# KiCad board coco2.kicad_pcb (continued)
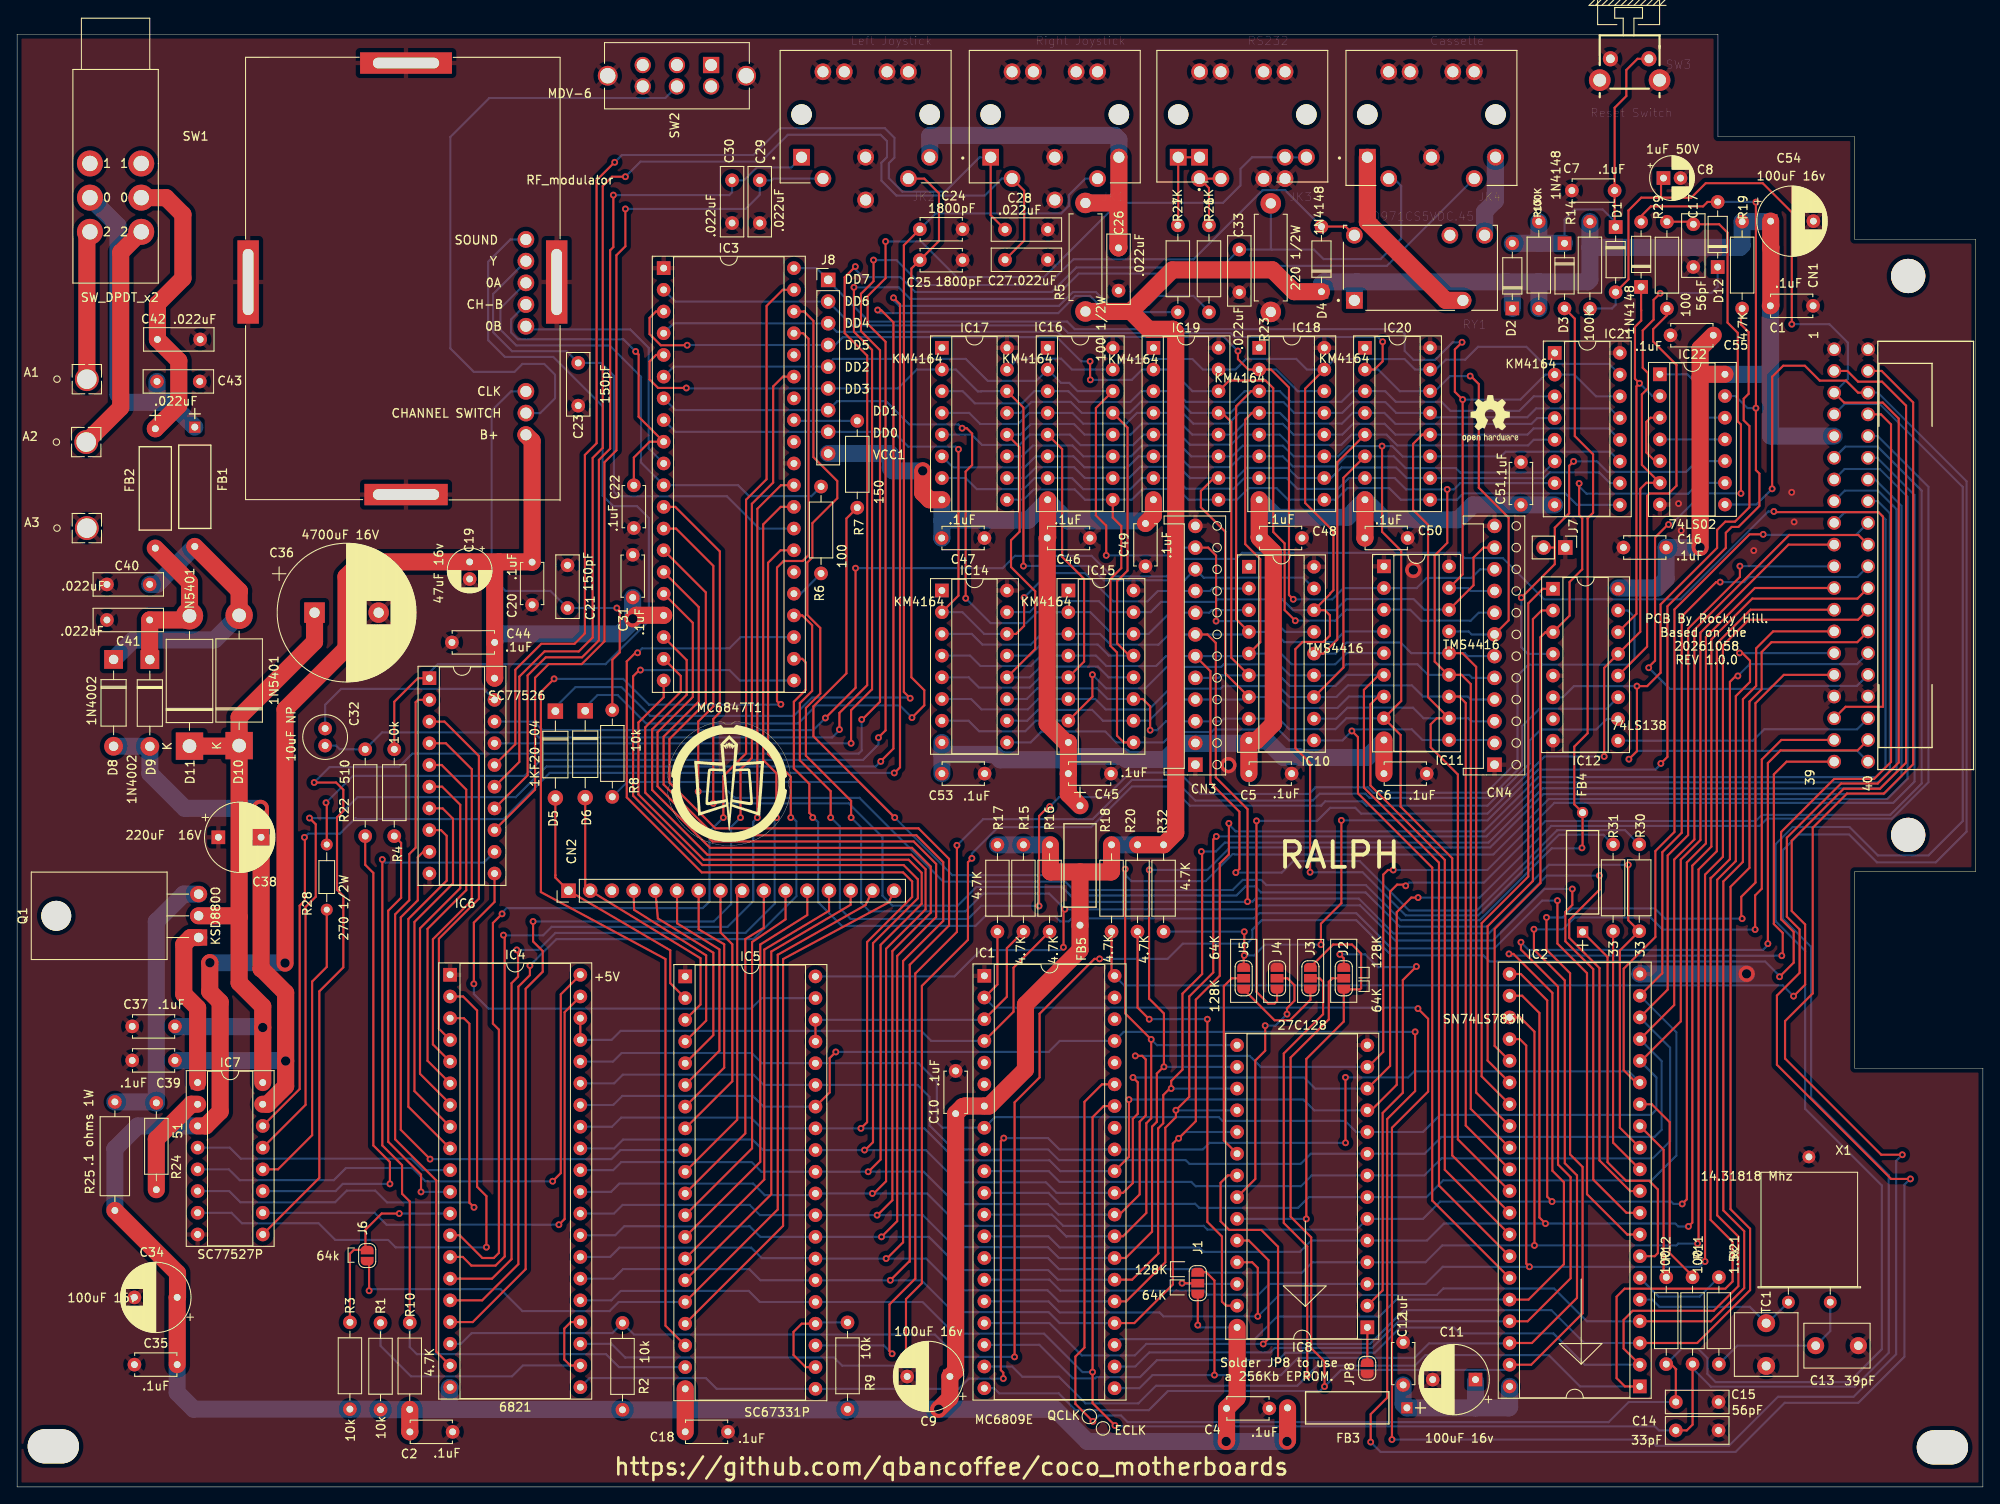
[diagram p0: board, top side]
## Routing (per net, layer and track width the routed paths; a pad name or vN(x,y) marks a point on that pad's centre or on a via; arc(x,y) is an arc through that point) (continued)
/dram/DD2: length 110.1
  Top w0.25: v2(140.28,101.32) 140.28,109 139.36,109.92 CN3.11 ; v2(127.43,109.01) 127.43,112.48 126.22,113.69 126.22,126.25 IC16.14
  Bottom w0.25: IC3.6 76.82,131.09 J8.5 94.9,131.4 95.5,132 111,132 113.57,129.43 119.24,129.43 IC16.2 122.14,129.2 123.1,129.2 124.07,128.23 128.19,128.23 IC16.14 ; CN3.11 136.24,109.92 135.33,109.01 v2(127.43,109.01) ; IC10.15 148.38,100.06 147.12,101.32 v2(140.28,101.32)
/dram/DD3: length 105.7
  Top w0.25: IC17.14 117.74,126.3 v2(117.74,107.76) ; IC3.5 74.77,132.47 74,131.7 74,129.6 75,128.6 v2(78.3,128.6)
  Bottom w0.25: IC17.14 112.82,128.22 112.8,128.2 112.4,128.2 109.84,130.76 IC17.2 105.26,130.76 103.05,128.55 78.35,128.55 v2(78.3,128.6) ; v2(117.74,107.76) 117.75,107.77 125.48,107.77 127.15,106.1 136.58,106.1 CN3.10 138.84,106.4 150.48,106.4 IC10.17
/dram/DD4: length 136
  Top w0.25: v2(149.31,103.87) 148.81,104.37 148.81,128.65 146.7,130.76 IC18.2 144.05,130.76 142.84,131.97 v2(142.84,132.92)
  Bottom w0.25: CN4.10 171.18,107.38 170.17,106.37 164.94,106.37 163.76,105.19 IC11.2 155.21,105.19 153.89,103.87 v2(149.31,103.87) ; IC3.4 76.82,136.17 J8.3 95.9,135.17 121.72,135.17 122.32,134.57 141.19,134.57 v2(142.84,132.92) ; IC18.2 147.3,130.76 149.84,128.22 IC18.14
/dram/DD5: length 136.6
  Top w0.25: v2(125.57,129.55) 125.54,129.58 v2(125.54,131.72) ; v2(78.4,133.6) 75.3,133.6 74,134.9 74,136.8 74.74,137.55 IC3.3 ; v2(149.55,101.36) 148.3,102.61 148.3,110.41 146.97,111.74 146.97,128.57 146.07,129.47 141.82,129.47 IC19.14
  Bottom w0.25: v2(125.57,129.55) 130.42,129.55 131.63,130.76 IC19.2 134.98,130.76 137.52,128.22 IC19.14 ; v2(149.55,101.36) 154.21,101.36 155.5,102.65 IC11.3 162.99,102.65 164.28,101.36 170.07,101.36 171.01,102.3 CN4.8 ; v2(78.4,133.6) 78.43,133.63 95.7,133.63 96.62,134.55 121.66,134.55 124.49,131.72 v2(125.54,131.72)
/dram/DD6: length 143.8
  Top w0.25: IC20.2 158.81,130.76 159.77,131.72 v2(159.77,134.01) ; v2(170.01,129.99) 170.09,129.99 171.02,129.06 171.02,116.92 174.51,113.43 174.51,101.41 CN4.7
  Bottom w0.25: IC20.2 159.24,130.76 161.78,128.22 IC20.14 165.89,128.22 167.66,129.99 v2(170.01,129.99) ; IC11.15 169.83,100.11 170.18,99.76 CN4.7 ; v2(159.77,134.01) 159.22,134.56 142.45,134.56 141.98,135.03 122.97,135.03 122.08,135.92 97.69,135.92 94.9,138.71 77.02,138.71 IC3.2
/dram/DD7: length 141
  Top w0.25: IC11.17 169.13,106.78 v2(169.13,127.24) 168.22,128.15 168.22,133.11 v2(169.06,133.95)
  Bottom w0.25: IC11.17 169.72,105.19 170.07,104.84 CN4.9 ; IC3.40 93.52,142.62 J8.1 94.9,141.15 99.68,136.37 122.85,136.37 123.74,135.48 161.81,135.48 162.35,134.94 162.35,132.93 163.39,131.88 165.9,131.88 167.97,133.95 v2(169.06,133.95) ; IC21.14 184.73,127.62 182.19,130.16 IC21.2 178.81,130.16 175.89,127.24 v2(169.13,127.24)
/dram/MA0: length 233.4
  Top w0.25: IC15.5 124.84,96.58 124.84,106.26 122.27,108.83 122.27,121.45 120.58,123.14 ; IC10.14 152.83,97.52 154.46,99.15 154.46,119.9 157.7,123.14 ; IC2.28 170.71,46.15 170.71,95.96 169.1,97.57 IC11.14
  Bottom w0.25: 108.2,123.14 111.69,123.14 112.9,121.93 117.28,121.93 118.49,123.14 123.19,123.14 124.42,121.91 130.56,121.91 131.79,123.14 136.05,123.14 137.23,121.96 142.03,121.96 143.21,123.14 147.73,123.14 148.94,121.93 154.92,121.93 156.13,123.14 160.22,123.14 161.48,121.88 176.79,121.88 177.45,122.54 IC21.5 ; IC10.14 154.26,97.52 155.56,98.82 161.87,98.82 163.12,97.57 IC11.14 169.39,97.57 169.74,97.22 CN4.6 ; IC15.5 119.67,94.74 118.47,93.54 112.54,93.54 111.34,94.74 IC14.5
/dram/MA1: length 232
  Top w0.25: v2(125.81,95.05) 125.81,92.47 IC15.7 ; v2(167.33,116.73) 167.33,110.47 165.86,109 165.86,96.58 167.41,95.03 IC11.13 169,95.03 170.08,93.95 170.08,44.24 IC2.29
  Bottom w0.25: IC14.7 111.33,89.66 112.56,88.43 117.96,88.43 119.19,89.66 IC15.7 ; v2(125.81,95.05) 127.41,93.45 132.01,93.45 134.52,95.96 140.88,95.96 141.17,96.25 147.64,96.25 148.91,94.98 IC10.13 154.21,94.98 155.5,96.27 163.83,96.27 165.07,95.03 IC11.13 169.89,95.03 170.24,94.68 CN4.5 ; IC21.7 168.84,117.46 168.11,116.73 v2(167.33,116.73) 162.51,116.73 161.18,118.06 155.82,118.06 154.56,116.8 149.8,116.8 148.54,118.06 143.6,118.06 142.35,116.81 136.77,116.81 135.52,118.06 131.56,118.06 130.25,116.75 124.74,116.75 123.43,118.06 119.07,118.06 117.77,116.76 112.29,116.76 110.99,118.06 108.2,118.06
/dram/MA2: length 235.9
  Top w0.25: IC11.12 168.74,92.49 169.49,91.74 169.49,42.29 174.62,37.16 ; IC20.6 155.18,118.08 155.18,95.88 IC10.12
  Bottom w0.25: CN4.4 170.08,92.14 169.73,92.49 IC11.12 164.5,92.49 163.2,93.79 155.71,93.79 154.36,92.44 IC10.12 148.86,92.44 147.59,93.71 141.1,93.71 140.81,93.42 134.87,93.42 132.43,90.98 127.37,90.98 126.15,92.2 IC15.6 119.47,92.2 118.26,90.99 112.83,90.99 111.62,92.2 IC14.6 ; IC17.6 109.48,119.32 117.89,119.32 119.17,120.6 IC16.6 123.59,120.6 124.87,119.32 129.95,119.32 131.23,120.6 IC19.6 135.94,120.6 137.21,119.33 141.93,119.33 143.2,120.6 IC18.6 148.08,120.6 149.27,119.41 154.3,119.41 155.49,120.6 IC20.6 161.08,120.6 162.45,119.23 168.32,119.23 168.85,118.7 178.6,118.7 IC21.6
/dram/MA3: length 244
  Top w0.25: 165.32,123.14 164.41,123.14 163.33,122.06 163.33,114.33 165.08,112.58 165.08,92.41 IC11.11 166.1,89.95 165.39,89.24 165.39,86.55 168.57,83.37 168.57,40.67 174.62,34.62 ; 115.82,123.14 117.29,121.67 117.29,111.78 116.29,110.78 116.29,107.64 119.12,104.81 119.12,98.04 IC14.12
  Bottom w0.25: IC21.12 186.19,123.87 177.44,123.87 176.71,123.14 161.27,123.14 160,124.41 156.31,124.41 155.04,123.14 149.34,123.14 148.07,124.41 143.53,124.41 142.26,123.14 137.5,123.14 136.21,124.43 131.58,124.43 130.29,123.14 124.9,123.14 123.66,124.38 118.61,124.38 117.37,123.14 115.82,123.14 ; CN4.3 170.14,89.6 169.79,89.95 IC11.11 164.55,89.95 163.32,91.18 155.64,91.18 154.36,89.9 IC10.11 ; IC15.12 127.71,94.74 126.45,96 119.75,96 118.49,94.74 IC14.12
/dram/MA4: length 224
  Top w0.25: v2(159.7,121.8) 159.7,111.78 161.94,109.54 161.94,91.97 IC11.8 159.92,89.94 161.87,87.99 161.87,79.61 167.91,73.57 167.91,38.79 IC2.32 ; IC15.11 131.71,92.2 132.57,91.34 v2(132.57,88.55)
  Bottom w0.25: v2(132.57,88.55) 133.37,88.55 134.42,89.6 CN3.3 140.9,89.6 141.2,89.9 IC10.8 147.62,89.9 148.85,88.67 154.25,88.67 155.52,89.95 IC11.8 ; IC17.11 117.59,120.6 118.86,121.87 123.48,121.87 124.75,120.6 IC16.11 130.34,120.6 131.62,121.88 136.1,121.88 137.38,120.6 IC19.11 142.14,120.6 143.39,121.85 148.11,121.85 149.36,120.6 IC18.11 154.59,120.6 155.79,121.8 v2(159.7,121.8) 160.89,121.8 162.12,120.57 165.29,120.57 IC20.11 173.63,120.6 174.17,121.14 186.38,121.14 IC21.11 ; IC14.11 118.13,92.2 119.39,93.46 126.34,93.46 127.6,92.2 IC15.11
/dram/MA5: length 223.9
  Top w0.25: 140.57,118.06 140.02,118.06 138.5,116.54 138.5,114.64 141.35,111.79 141.35,95.21 IC10.7 ; IC2.33 167.04,37.12 167.04,73.38 158.34,82.08 158.34,91.59 159.24,92.49 IC11.7
  Bottom w0.25: IC21.10 186.37,117.46 185.1,118.73 179.34,118.73 178.65,118.04 165.34,118.04 165.32,118.06 162.58,118.06 161.34,119.3 154.97,119.3 153.73,118.06 149.85,118.06 148.67,119.24 143.83,119.24 142.65,118.06 137.25,118.06 137.24,118.05 135.92,119.37 131.41,119.37 130.1,118.06 124.94,118.06 123.67,119.33 119.23,119.33 117.96,118.06 115.82,118.06 ; IC14.10 118.18,89.66 119.45,90.93 125.77,90.93 127.04,89.66 IC15.10 132.44,89.66 134.92,92.14 CN3.4 143.82,92.14 IC10.7 147.6,92.44 148.89,91.15 154.48,91.15 155.82,92.49 IC11.7
/dram/MA6: length 255.7
  Top w0.25: IC11.6 159.34,95.03 157.58,93.27 157.58,81.83 166.36,73.05 166.36,35.26 174.62,27 ; IC19.13 141,125.68 142.06,124.62 142.06,97.04 IC10.6 ; IC15.13 130.13,97.28 128.7,98.71 128.7,106 129.92,107.22 129.92,123.96 IC16.13
  Bottom w0.25: IC14.13 118.47,97.28 119.77,98.58 126.43,98.58 127.73,97.28 IC15.13 ; CN3.5 140.59,94.68 140.89,94.98 IC10.6 147.66,94.98 148.92,93.72 154.25,93.72 155.56,95.03 IC11.6 ; IC21.13 186.4,126.21 177.73,126.21 176.69,125.17 165.83,125.17 IC20.13 161.35,125.68 160.08,126.95 156.3,126.95 155.03,125.68 IC18.13 149.43,125.68 148.16,126.95 143.24,126.95 141.97,125.68 IC19.13 137.38,125.68 136.08,126.98 131.47,126.98 130.17,125.68 IC16.13 124.57,125.68 123.28,126.97 118.68,126.97 117.39,125.68 IC17.13
/dram/MA7: length 240.1
  Top w0.25: IC15.9 129.48,87.12 128.69,87.91 128.69,97.65 127.92,98.42 127.92,106.25 129.19,107.52 129.19,112.43 128.19,113.43 IC16.9 ; IC2.35 165.57,33.51 165.57,72.47 156.88,81.16 156.88,87.75 v2(156.17,88.46)
  Bottom w0.25: IC21.9 182.5,114.92 181.15,116.27 169.21,116.27 168.46,115.52 IC20.9 161.9,115.52 160.54,116.88 155.65,116.88 154.29,115.52 IC18.9 148.72,115.52 147.37,116.87 144.09,116.87 142.74,115.52 IC19.9 137.06,115.52 135.8,116.78 131.68,116.78 130.42,115.52 IC16.9 124.94,115.52 123.73,116.73 118.95,116.73 117.74,115.52 IC17.9 ; CN4.2 172.51,87.41 IC11.10 164.42,87.41 163.18,88.65 156.36,88.65 v2(156.17,88.46) 155.07,87.36 IC10.10 148.84,87.36 147.56,88.64 140.04,88.64 139.74,88.34 135.35,88.34 134.13,87.12 IC15.9 128.6,87.12 127.32,88.4 119.86,88.4 118.58,87.12 IC14.9
/dram/~{CAS}: length 252.8
  Top w0.25: IC11.16 170.4,105.51 170.4,108.75 171.57,109.92 CN4.11 ; IC18.15 150.7,128.51 150.7,115.14 154.01,111.83 154.01,104.94 153.62,104.55 153.62,104.48 IC10.16 153,102.6 153.6,102 153.6,99.63 152.85,98.88 150.4,98.88 149.56,98.04 149.56,86.44 151.28,84.72 v2(151.28,71.93)
  Bottom w0.25: R31.1 185.6,76.32 180.4,76.32 170.97,66.89 162.46,66.89 157.42,71.93 v2(151.28,71.93) ; IC21.15 186.27,131.41 178.6,131.41 176.59,133.42 170.94,133.42 169.43,131.91 167.16,131.91 166.01,130.76 IC20.15 163.56,130.76 162.34,131.98 154.17,131.98 IC18.15 150.9,130.76 149.66,132 143.79,132 142.55,130.76 IC19.15 138.73,130.76 137.5,131.99 129.43,131.99 IC16.15 123.42,130.76 122.15,132.03 117.09,132.03 IC17.15 ; IC11.16 164.64,102.65 163.39,103.9 155.54,103.9 154.24,102.6 IC10.16 149.29,102.6 148.02,103.87 140.51,103.87 140.21,103.57 133.84,103.57 132.63,102.36 IC15.15 127.86,102.36 126.57,103.65 119.76,103.65 118.47,102.36 IC14.15
/dram/~{RAS}: length 244.6
  Top w0.25: IC10.5 145.45,98.85 145.45,108.57 143.69,110.33 143.69,124.89 144.48,125.68 IC18.4 ; v2(142.59,71.89) 143.01,72.31 143.01,79.01 139.62,82.4 139.62,95.46 CN3.6
  Bottom w0.25: IC14.4 111.5,97.28 112.72,96.06 118.58,96.06 119.8,97.28 IC15.4 126.22,97.28 127.44,96.06 133.26,96.06 134.42,97.22 CN3.6 143.82,97.22 IC10.5 147.86,97.52 149.11,96.27 154.23,96.27 155.53,97.57 IC11.5 ; R30.1 188.13,76.85 180.19,76.85 170.8,67.46 162.87,67.46 157.1,73.23 149.3,73.23 147.96,71.89 v2(142.59,71.89) ; IC17.4 111.39,125.68 112.69,124.38 117.11,124.38 118.41,125.68 IC16.4 123.47,125.68 124.73,124.42 129.76,124.42 131.02,125.68 IC19.4 136.37,125.68 137.63,124.42 141.72,124.42 142.98,125.68 IC18.4 147.75,125.68 149,124.43 155,124.43 156.25,125.68 IC20.4 159.98,125.68 161.27,124.39 177.17,124.39 177.86,125.08 IC21.4
/dram/~{WE}: length 397.5
  Top w0.25: IC18.3 144.39,128.22 142.63,126.46 142.63,101.55 IC10.4 ; v2(81.45,79.99) 81.45,89.86 82.22,90.63 82.22,109.47 77.01,114.69 IC3.12 ; v2(143.96,68.5) 143.96,79.31 140.25,83.02 140.25,98.77 139.26,99.76 CN3.7 ; 189.86,34.62 188.73,34.62 185.14,38.21 185.14,60.71 181.6,64.25 181.6,66.35 185.13,69.88 v2(185.13,71.54)
  Bottom w0.25: v2(81.45,79.99) 97.31,79.99 101.24,76.06 101.24,69.19 102.42,68.01 110.05,68.01 112.24,70.2 122.26,70.2 123.99,68.47 143.93,68.47 v2(143.96,68.5) 144.55,68.5 144.9,68.85 156.97,68.85 161.05,64.77 172.2,64.77 178.97,71.54 v2(185.13,71.54) ; IC11.4 155.31,100.11 154.06,98.86 148.27,98.86 147.07,100.06 IC10.4 143.82,99.76 CN3.7 134.74,99.76 133.54,98.56 127.95,98.56 126.69,99.82 IC15.3 119.86,99.82 118.61,98.57 112.95,98.57 111.7,99.82 IC14.3 ; IC17.3 110.64,128.22 112.05,126.81 117.59,126.81 119.01,128.22 IC16.3 123,128.22 124.26,126.96 130.25,126.96 131.51,128.22 IC19.3 135.53,128.22 136.78,126.97 142.37,126.97 143.62,128.22 IC18.3 147.75,128.22 148.99,126.98 154.96,126.98 156.2,128.22 IC20.3 160.07,128.22 161.31,126.98 166.65,126.98 167.71,125.92 175.75,125.92 177.45,127.62 IC21.3
/E: length 384.1
  Top w0.25: v2(205.34,116.8) 205.34,129.91 206.63,131.2 209.17,131.2 210.91,129.46 213.98,129.46 215.39,128.05 CN1.6 ; IC1.34 127.13,44.57 125.83,43.27 v2(125.83,13.44) 125.83,9.81 v2(128.45,7.19) ; R11.1 196.03,7.29 195.35,6.61 C14.2
  Bottom w0.25: CN1.6 217.71,128.05 228.09,117.67 228.09,76.69 224.49,73.09 217.6,73.09 214.34,76.35 208.44,76.35 206.59,74.5 206.59,66.5 209.87,63.22 209.9,63.22 209.9,45.58 218.98,36.5 218.98,15.7 215.01,11.73 198.17,11.73 196.03,13.87 R11.1 ; IC22.8 203.5,114.96 v2(205.34,116.8) ; v2(125.83,13.44) 124.65,13.44 120.16,17.93 109.65,17.93 105.94,21.64 IC5.25 86.9,21.64 85.61,22.93 70.63,22.93 69.53,21.83 IC4.25 ; C14.2 192.1,6.61 191.62,7.09 128.55,7.09 v2(128.45,7.19)
/peripherals/+SALT_VIN: length 80.4
  Top w2: D11.1 25.92,86.69 D10.1 ; D10.1 25.98,90.07 34.8,98.89 C36.1 ; D10.1 25.98,66.7 ; IC7.16 v1(28.74,53.76) 28.74,56.23 25.98,58.99 25.98,66.7 ; 25.98,66.7 25.85,66.83 Q1.2
  Bottom w2: v1(28.74,53.76) 28.64,53.86 18.76,53.86
/peripherals/-SALT_VIN: length 72
  Top w2: v1(28.47,79.41) 28.47,76.1 C38.2 28.55,60.64 28.57,60.62 28.62,60.62 31.42,57.82 v1(31.42,49.84) 31.42,46.89 29.31,44.78 IC7.15
  Bottom w2: D8.2 15.51,86.67 D9.2 15.53,83.5 19.62,79.41 v1(28.47,79.41) ; v1(31.42,49.84) 31.38,49.88 18.76,49.88
/peripherals/CASS_DATA_IN: length 200.9
  Top w0.25: v2(96.21,88.63) 96.21,90.57 99.46,93.82 99.46,132.38 96.82,135.02 96.82,141.55 v2(98.08,142.81)
  Bottom w0.25: v2(96.21,88.63) 96.21,88.55 95.37,87.71 61.03,87.71 60.45,88.29 42.7,88.29 R22.1 37.75,86.32 37.32,86.75 C32.1 ; 146.69,149.95 146.69,144.91 146.8,144.8 ; 146.8,144.8 143,144.8 140.9,142.7 123.94,142.7 121.08,139.84 105.06,139.84 103.33,141.57 98.99,141.57 98.08,142.49 v2(98.08,142.81) ; 146.8,144.8 151.73,144.8 152.85,143.68 159.53,143.68 161.94,146.09 161.94,152.24 161.08,153.1 JK4.4
/peripherals/CASS_DATA_OUT_TTL: length 67.5
  Top w0.25: v2(54.91,28.05) 54.91,34.03 53.82,35.12 53.82,55.75 52.18,57.39 IC4.2
  Bottom w0.25: v2(54.91,28.05) 54.89,28.03 44.27,28.03 43.41,28.9 37.23,28.9 35.28,30.85 26.31,30.85 25.08,32.08 IC7.7
/peripherals/CASS_M_IN_TTL: length 63
  Top w0.25: IC4.39 64.06,55.55 64.06,31.35 v2(63.39,30.68)
  Bottom w0.25: IC7.10 41.83,32.08 43.23,30.68 v2(63.39,30.68)
/peripherals/CASS_MTR_OUT: length 250
  Top w0.25: 152.61,147.49 155.44,147.49 RY1.A2 ; IC7.9 35.36,36.16 35.36,57.99 38.17,60.8 38.17,69.15 37.43,69.89 37.43,78.36 38.17,79.1 38.17,81.58 37.32,82.43 v2(34.76,82.43) ; v2(98.82,89.8) 98.88,89.8 100.96,91.88 100.96,133.02 98.73,135.25 98.73,139.62 100.2,141.09 v2(100.2,143.57)
  Bottom w0.25: v2(98.82,89.8) 98.82,86.16 98.47,85.81 46.24,85.81 44.67,84.24 36.57,84.24 v2(34.76,82.43) ; 152.61,147.49 148.36,151.74 145.73,151.74 137.65,143.66 123.6,143.66 120.59,140.65 105.81,140.65 102.89,143.57 v2(100.2,143.57)
/peripherals/CD_IN: length 202.4
  Top w0.25: v2(100.69,137.72) 101.09,137.72 102.53,136.28 102.53,86.4 101.05,84.92 v2(101.05,84.9) ; IC7.13 33.75,44.71 33.75,67.87 34.94,69.06 34.94,77.54 v2(34.21,78.27)
  Bottom w0.25: v2(100.69,137.72) 100.69,137.64 100.97,137.36 121.81,137.36 123.82,139.37 125.54,139.37 127.27,137.64 127.27,137.61 127.41,137.47 R27.1 ; v2(34.21,78.27) 37.38,78.27 39.82,80.71 58.34,80.71 61.94,84.31 100.46,84.31 v2(101.05,84.9)
/peripherals/CD_OUT_TTL: length 68.8
  Top w0.25: IC4.40 63.61,57.64 63.61,36.72 v2(62.66,35.77)
  Bottom w0.25: v2(62.66,35.77) 47.77,35.77 46.22,37.32 38.48,37.32 37.05,35.89 26.05,35.89 24.78,37.16 IC7.5
/peripherals/CSS: length 148.9
  Top w0.25: IC3.39 89.58,140.09 87.69,138.2 87.69,117.92 85.29,115.52 85.29,85.84 82.63,83.18 v2(82.63,78.33) ; v2(56.74,67.06) 55.67,65.99 55.67,54.21 56.37,53.51 56.37,27.38 55.78,26.79 54.44,26.79 51.78,29.45 IC4.13
  Bottom w0.25: v2(82.63,78.33) 81.01,76.71 81.01,68.51 80.23,67.73 57.28,67.73 56.74,67.19 v2(56.74,67.06)
/peripherals/GM1: length 126.6
  Top w0.25: 88.84,78.4 88.84,83.52 87.29,85.07 87.29,112.63 89.34,114.69 IC3.29 ; v2(58.46,62.84) 58.61,62.69 58.61,59.71 57.85,58.95 57.85,26.65 55.57,24.37 IC4.15
  Bottom w0.25: v2(58.46,62.84) 61,62.84 62.99,64.83 85.23,64.83 88.64,68.24 88.64,78.12 v2(88.84,78.33)
/peripherals/GM2: length 123.9
  Top w0.25: v2(60,61.01) 60,59.89 58.65,58.54 58.65,26.07 54.41,21.83 IC4.16 ; v2(90.52,78.33) 90.52,83.1 87.86,85.76 87.86,108.14 89.33,109.61 IC3.27
  Bottom w0.25: v2(60,61.01) 63.09,64.1 86.16,64.1 91.18,69.12 91.18,77.88 90.73,78.33 v2(90.52,78.33)
/peripherals/HI_LO: length 69.5
  Top w0.25: v2(48.32,38.36) 44.89,41.79 44.89,66.65 46.88,68.64 46.88,73.68 47.52,74.32 IC6.9
  Bottom w0.25: v2(48.32,38.36) 69.54,38.36 70.6,39.42 IC5.9
/peripherals/JOY0: length 141.9
  Top w0.25: C28.2 113.91,148.82 JK1.1 ; IC6.16 58.29,86.91 58.29,95.62 61.33,98.66 65.22,98.66 66.43,99.87 66.43,120.76 67.8,122.13 67.8,152.91 69.9,155.01 v2(69.92,155.01)
  Bottom w0.25: v2(69.92,155.01) 70.77,155.86 86.16,155.86 89.3,159 101.53,159 102.65,157.88 102.65,155.56 102,154.91 102,153.15 103.58,151.57 108.59,151.57 112.62,155.6 JK1.1
/peripherals/JOY1: length 146.7
  Top w0.25: C27.1 117.83,145.84 117.83,151.68 JK1.2 ; IC6.15 58.76,84.84 58.76,94.82 61.71,97.77 65.72,97.77 67.35,99.4 67.34,99.41 67.34,120.41 68.52,121.59 68.52,152.23 69.61,153.32 v2(71.17,153.32)
  Bottom w0.25: v2(71.17,153.32) 72.93,155.09 87.05,155.09 90.17,158.21 90.17,158.23 101.03,158.23 101.78,157.48 101.78,155.62 101.12,154.96 101.12,152.88 102.88,151.12 113.23,151.12 115.21,153.1 JK1.2
/peripherals/JOY2: length 104.7
  Top w0.25: IC6.14 59.73,83.27 59.73,94.96 61.85,97.08 66.1,97.08 68.07,99.05 68.07,120.18 69.39,121.5 69.39,144.71 69.76,145.08 v2(69.76,151.17)
  Bottom w0.25: JK2.1 90.59,154.41 86.56,154.41 85.05,152.9 C30.2 83.65,151.5 83.32,151.17 v2(69.76,151.17)
/peripherals/JOY3: length 106.9
  Top w0.25: IC6.13 60.6,81.6 60.6,94.69 62.2,96.29 66.06,96.29 68.72,98.95 68.72,119.9 70.12,121.3 70.12,144.13 71.17,145.18 v2(71.17,149.55)
  Bottom w0.25: v2(71.17,149.55) 85.24,149.55 86.89,151.2 C29.1 88.27,152.9 88.28,152.89 88.49,153.1 JK2.2
/peripherals/KR3: length 23.3
  Top w0.25: CN2.4 72.19,67.53 80.62,62.2 80.62,54.57 IC5.4
/peripherals/KR4: length 25.2
  Top w0.25: CN2.5 74.97,66.52 81.46,62.51 81.46,52.87 IC5.5
/peripherals/KR5: length 27.2
  Top w0.25: CN2.6 77.22,65.95 82.17,62.9 82.17,51.04 IC5.6
/peripherals/KR6: length 28.9
  Top w0.25: IC5.7 82.73,49.06 82.73,63.5 79.74,65.25 CN2.7
/peripherals/KR7: length 30.7
  Top w0.25: CN2.8 82.31,64.87 83.68,63.5 83.68,47.47 IC5.8
/peripherals/LSW: length 34.2
  Top w0.25: D6.2 66.47,70.35 CN2.2 79.96,61.86 79.96,56.45 IC5.3
/peripherals/RSW: length 31.6
  Top w0.25: D5.2 62.98,71.58 62.97,71.57 62.97,71.31 CN2.1 76.42,62.79 76.42,58.95 IC5.2
/peripherals/SELA: length 56.3
  Top w0.25: v2(53.44,58.87) 53.44,66.03 55.86,68.45 IC6.11
  Bottom w0.25: IC5.39 87.12,57.2 85.89,55.97 55.14,55.97 53.44,57.68 v2(53.44,58.87)
/peripherals/SELB: length 105.4
  Top w0.25: R10.1 45.94,33.41 45.04,34.31 45.04,37.65 42.73,39.96 v2(42.73,73.42)
  Bottom w0.25: IC5.19 70.42,14.02 68.91,15.53 46.78,15.53 45.94,16.37 R10.1 ; IC6.12 54.6,73.06 43.09,73.06 v2(42.73,73.42)
/peripherals/SER_DATA_IN_TTL: length 58.5
  Top w0.25: v2(53.46,32.72) 52.92,33.26 52.92,54.2 52.27,54.85 IC4.3
  Bottom w0.25: IC7.6 24.81,34.62 26.12,33.31 37.21,33.31 38.57,34.67 41.91,34.67 43.29,33.29 52.89,33.29 v2(53.46,32.72)
/peripherals/SER_DATA_OUT: length 34.5
  Top w0.25: R28.2 36.23,60.85 34.52,59.14 34.52,41.16 30.52,37.16 IC7.12
/peripherals/SER_DATA_OUT_TTL: length 30.6
  Bottom w0.25: IC4.10 47.47,37.07 46.13,38.41 26.17,38.41 24.88,39.7 IC7.4
/peripherals/SERIAL_DATA_IN: length 204.3
  Top w0.25: v2(102.54,139.15) 103.3,138.39 103.3,84.2 102.65,83.55 v2(102.63,83.55) ; IC7.14 33.06,46.56 33.06,68.02 33.67,68.63 33.67,75.96 v2(33.62,76.01)
  Bottom w0.25: v2(102.54,139.15) 102.54,138.89 103.22,138.21 121.91,138.21 123.52,139.82 126.23,139.82 127.7,138.35 132.42,138.35 133.44,139.37 137.64,139.37 139.45,137.56 R26.1 ; v2(33.62,76.01) 33.63,76.01 34.06,76.44 37.76,76.44 39.6,78.28 39.73,78.15 56.91,78.15 62.31,83.55 v2(102.63,83.55)
/peripherals/SND_OUT: length 99.9
  Top w0.25: R4.1 44.13,91.88 46.89,94.64 IC6.1
  Bottom w0.25: IC6.1 48.24,95.3 49.22,96.28 68.85,96.28 73.92,101.35 73.92,113.38 72.53,114.77 69.75,114.77 68.51,116.01 68.51,126.46 62.74,132.23 57.08,132.23 55.11,134.2 55.11,143.37 57.72,145.98 MDV-6.8
/peripherals/~{A}_G: length 142.7
  Top w0.25: v2(60.37,66.17) 60.37,63.83 61.5,62.7 61.5,60.29 59.5,58.29 59.5,25.48 53.31,19.29 IC4.17 ; IC3.35 89.61,129.93 88.46,128.78 88.46,117.53 85.97,115.04 85.97,85.32 84.64,83.99 84.64,78.55
  Bottom w0.25: v2(60.37,66.17) 81.51,66.17 83.55,68.21 83.55,77.24 v2(84.64,78.33)
/Q: length 297
  Top w0.25: C15.2 194.07,13.73 194.11,13.77 193.51,14.37 R12.1 ; v2(125.87,7.67) 123.82,9.72 123.82,15.25 124.88,16.31 124.88,45.06 126.93,47.11 IC1.35
  Bottom w0.25: R12.1 194.73,16.15 196.7,16.15 197.77,15.08 197.77,13.22 198.73,12.26 214.32,12.26 218.17,16.11 218.17,35.28 209.2,44.25 209.2,62.73 205.76,66.17 205.76,75.23 207.75,77.22 214.39,77.22 217.71,73.9 223.63,73.9 227.64,77.91 227.64,117.02 217.94,126.72 213.81,126.72 CN1.7 ; C15.2 188.57,9.94 186.21,7.58 129.93,7.58 129.15,8.36 126.56,8.36 v2(125.87,7.67)